# Allegro board MinnowMax_RevA1.brd (continued)
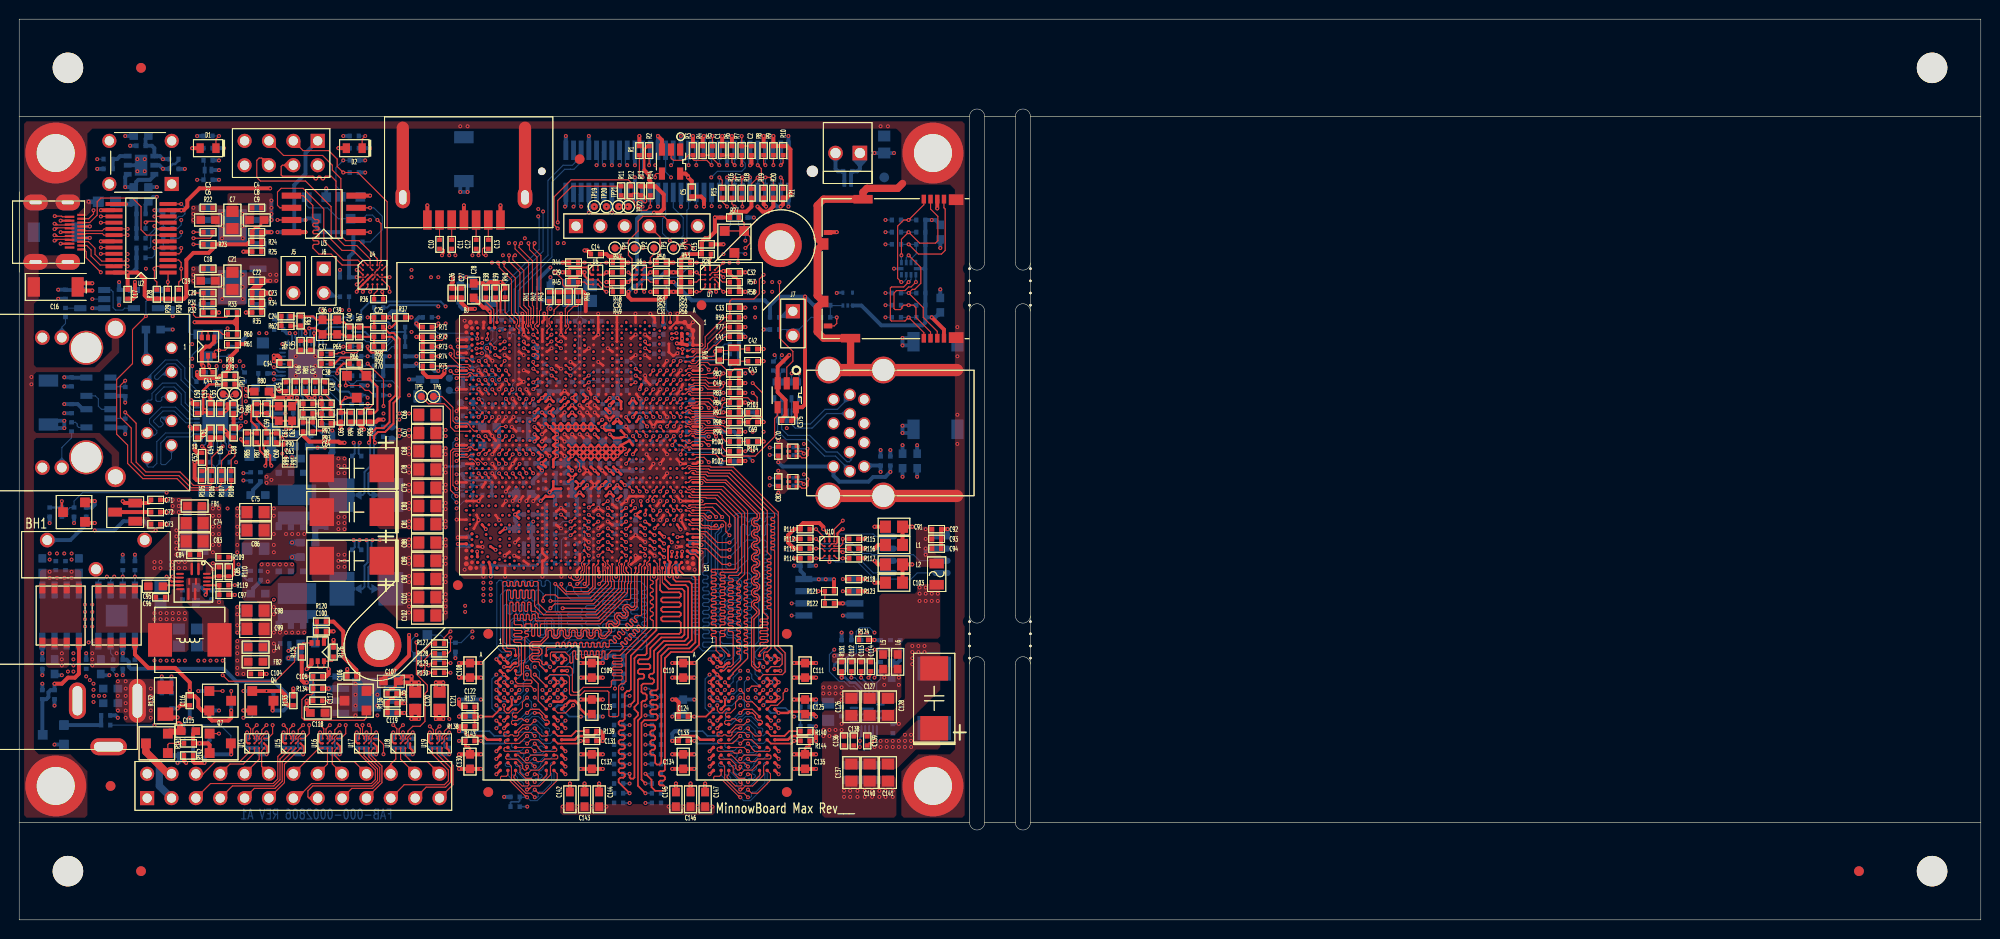
[diagram p0: board, top side]
## Routing (per net, layer and track width the routed paths; a pad name or vN(x,y) marks a point on that pad's centre or on a via; arc(x,y) is an arc through that point) (continued)
M_DQS_A_N2: length 33.2
  TOP w0.119: CPU1.F40 v1(68.24,42.71)
  INT8(V) w0.114: v1(76.77,23.19) 76.33,23.63 76.33,24.13 76.06,24.4 74.96,24.4 74.43,24.92 74.43,28.44 73.41,29.47 73.41,29.86 73.68,30.13 74.3,30.13 74.43,30.27 74.43,30.46 74.3,30.59 73.68,30.59 73.41,30.87 73.41,31.26 73.68,31.53 74.3,31.53 74.43,31.67 74.43,31.85 74.3,31.99 73.68,31.99 73.41,32.26 73.41,32.65 73.68,32.93 74.3,32.93 74.43,33.06 74.43,33.25 74.3,33.39 73.68,33.39 73.41,33.66 73.41,34.05 73.68,34.33 74.3,34.33 74.43,34.46 74.43,34.65 74.3,34.78 73.68,34.78 73.41,35.06 73.41,35.45 73.68,35.72 74.3,35.72 74.43,35.86 74.43,36.18 74.3,36.32 73.7,36.32 73.42,36.6 73.42,38.38 69.45,42.35 68.6,42.35 v1(68.24,42.71)
  BOTTOM w0.119: MEM3.G3 v1(76.77,23.19)
M_DQS_A_N3: length 31.7
  TOP w0.119: CPU1.C43 69.79,41.76 70.14,41.4 70.99,41.4 71.25,41.15 71.94,41.15 72.08,41.01 72.51,41.01 v1(72.64,41.15)
  BOTTOM w0.119: MEM3.B7 73.82,26.65 73.82,26.49 73.89,26.43 74.18,26.43 75.06,27.3 75.06,28.96 74.57,29.44 73.82,29.44 73.53,29.73 73.53,30.14 73.82,30.43 74.92,30.43 75.06,30.57 75.06,30.76 74.92,30.9 73.82,30.9 73.53,31.19 73.53,31.6 73.82,31.89 74.92,31.89 75.06,32.03 75.06,32.23 74.92,32.37 73.82,32.37 73.53,32.65 73.53,33.06 73.82,33.35 74.92,33.35 75.06,33.49 75.06,33.69 74.92,33.83 73.82,33.83 73.53,34.12 73.53,34.53 73.82,34.81 74.92,34.81 75.06,34.95 75.06,35.2 74.82,35.43 73.17,35.43 72.55,36.06 72.55,40.29 72.94,40.68 72.94,40.94 72.89,40.99 72.89,41.03 72.77,41.15 v1(72.64,41.15)
M_DQS_A_N4: length 31.9
  TOP w0.119: MEM1.B7 54.77,26.62 54.61,26.62 54.48,26.75 54.48,26.94 54.23,27.19 53.57,27.19 53.47,27.29 53.47,27.44 53.57,27.55 54.23,27.55 54.48,27.8 54.48,28.16 54.23,28.41 53.57,28.41 53.47,28.52 53.47,28.67 53.57,28.77 54.43,28.77 55.13,29.48 55.13,30.11 55.24,30.22 55.39,30.22 55.49,30.11 55.49,29.62 55.75,29.37 56.1,29.37 56.36,29.62 56.36,30.11 56.46,30.22 56.61,30.22 56.72,30.11 56.72,29.62 56.97,29.37 57.33,29.37 57.58,29.62 57.58,30.11 57.69,30.22 57.84,30.22 57.94,30.11 57.94,29.62 58.19,29.37 58.55,29.37 58.81,29.62 58.81,30.11 58.91,30.22 59.06,30.22 59.16,30.11 59.16,29.62 59.42,29.37 59.78,29.37 60.03,29.62 60.03,30.11 60.14,30.22 60.28,30.22 60.39,30.11 60.39,29.62 60.64,29.37 61.1,29.37 61.74,30.01 61.74,30.37 61.44,30.66 61.44,30.81 61.55,30.91 61.7,30.91 61.99,30.62 62.35,30.62 62.6,30.87 62.6,31.23 62.31,31.52 62.31,31.67 62.41,31.78 62.56,31.78 62.85,31.48 63.21,31.48 63.47,31.74 63.47,32.1 63.17,32.39 63.17,32.54 63.28,32.64 63.43,32.64 63.72,32.35 64.08,32.35 64.4,32.67 64.4,36.08 64.59,36.27 64.59,36.95 CPU1.M52
M_DQS_A_N5: length 31.8
  TOP w0.119: CPU1.T44 v1(63.26,41.56) ; v1(52.14,23.19) MEM1.G3
  INT3(V) w0.114: v1(63.26,41.56) 61.94,40.24 61.94,37.22 61.07,36.35 61.07,31.78 60.7,31.4 60.31,31.4 59.9,31.81 59.71,31.81 59.58,31.68 59.58,31.49 59.99,31.08 59.99,30.69 59.71,30.41 59.32,30.41 58.91,30.82 58.72,30.82 58.59,30.69 58.59,30.5 59,30.09 59,29.7 58.69,29.39 58.32,29.39 57.89,29.83 57.73,29.83 57.57,29.67 57.57,29.51 59.04,28.04 59.04,27.57 58.78,27.32 58.18,27.32 57.9,27.04 57.9,26.59 57.64,26.34 56.4,26.34 55.2,25.14 55.2,25.14 54.7,24.64 52.71,24.64 52.5,24.43 52.5,23.55 v1(52.14,23.19)
M_DQS_A_N6: length 31.7
  TOP w0.119: v1(60.36,38.74) CPU1.Y48
  INT8(V) w0.114: v1(60.36,38.74) 60.58,38.74 60.97,38.35 60.97,36.88 60.68,36.59 60.17,36.59 60.06,36.48 60.06,33.81 57.37,31.12 55.75,31.12 55.61,30.99 55.61,30.8 55.75,30.66 57.37,30.66 57.65,30.39 57.65,30 57.37,29.72 55.75,29.72 55.61,29.59 55.61,29.4 55.75,29.27 57.37,29.27 57.65,28.99 57.65,28.6 57.37,28.33 55.75,28.33 55.61,28.19 55.61,28 55.75,27.87 57.37,27.87 57.65,27.59 57.65,26.82 57.36,26.54 56.48,26.54 56.25,26.32 56.25,25.55 55.98,25.29 55.26,25.29 54.98,25.01 54.98,23.86 54.54,23.43 v1(54.54,23.19)
  BOTTOM w0.119: MEM4.G3 v1(54.54,23.19)
M_DQS_A_N7: length 31.7
  TOP w0.119: v1(55.88,35.05) 56.93,34 59.38,34 60.03,34.65 60.03,36.83 60.36,37.16 CPU1.AA51
  BOTTOM w0.119: MEM4.B7 51.96,26.79 52.22,27.05 52.71,27.05 53.21,27.55 53.21,28.7 52.7,29.21 51.38,29.21 51.12,29.48 51.12,31.1 51.48,31.46 52.55,31.46 52.82,31.19 52.82,30.49 52.96,30.35 53.16,30.35 53.3,30.49 53.3,31.19 53.56,31.46 53.99,31.46 54.28,31.17 54.28,29.86 54.42,29.72 54.62,29.72 54.76,29.86 54.76,31.24 55.01,31.5 55.44,31.5 55.75,31.19 55.75,29.86 55.89,29.72 56.08,29.72 56.25,29.88 56.25,31.76 55.88,32.13 v1(55.88,35.05)
M_DQS_A_P0: length 37.3
  TOP w0.119: v1(66.11,43.7) 66.08,43.7 66,43.77 65.97,43.94 66.2,44.25 66.4,44.25 CPU1.J38 ; v1(74.36,23.99) MEM2.F3
  INT3(V) w0.114: v1(74.36,23.99) 74.37,23.99 74.47,24.09 74.47,24.28 74.4,24.36 74.1,24.36 74.04,24.42 74.04,24.59 74.12,24.66 74.4,24.66 74.47,24.74 74.47,24.89 74.39,24.97 74.11,24.97 74.03,25.05 74.03,25.22 74.11,25.3 74.41,25.3 74.49,25.37 74.49,26.19 75.2,26.91 75.67,26.91 76.33,27.56 76.33,33.48 76.19,33.61 75.71,33.61 75.44,33.89 75.44,34.27 75.71,34.55 76.19,34.55 76.33,34.68 76.33,34.87 76.19,35.01 75.71,35.01 75.44,35.28 75.44,35.67 75.71,35.95 76.19,35.95 76.33,36.08 76.33,36.27 76.19,36.4 75.71,36.4 75.44,36.68 75.44,37.07 75.71,37.34 76.19,37.34 76.33,37.48 76.33,37.67 76.19,37.8 75.71,37.8 75.44,38.08 75.44,38.47 75.71,38.74 76.19,38.74 76.33,38.87 76.33,39.65 73.05,42.93 70.23,42.93 69.09,44.07 66.22,44.07 66.06,43.91 66.06,43.74 v1(66.11,43.7)
M_DQS_A_P1: length 32.1
  TOP w0.119: MEM2.C7 76.88,25.99 76.34,26.53 76.34,31.48 76.88,32.03 76.88,32.2 76.34,32.74 76.34,33.1 76.59,33.36 76.82,33.36 76.93,33.46 76.93,33.61 76.82,33.71 76.59,33.71 76.34,33.97 76.34,34.33 76.59,34.58 76.82,34.58 76.93,34.69 76.93,34.83 76.82,34.94 76.59,34.94 76.34,35.19 76.34,35.55 76.59,35.8 76.82,35.8 76.93,35.91 76.93,36.06 76.82,36.16 76.59,36.16 76.34,36.42 76.34,36.78 76.59,37.03 76.82,37.03 76.93,37.13 76.93,37.28 76.82,37.39 76.59,37.39 76.34,37.64 76.34,38 76.59,38.25 76.82,38.25 76.93,38.36 76.93,38.51 76.82,38.61 76.59,38.61 76.34,38.87 76.34,39.22 76.59,39.48 76.82,39.48 76.93,39.58 76.93,39.73 76.82,39.84 76.59,39.84 76.34,40.09 76.34,40.45 76.59,40.7 76.82,40.7 76.93,40.81 76.93,40.96 76.82,41.06 76.59,41.06 76.34,41.31 76.34,41.67 76.59,41.93 76.82,41.93 76.93,42.03 76.93,42.28 73.57,45.63 71.59,45.63 71.27,45.95 70.09,45.95 69.79,45.64 CPU1.C35
M_DQS_A_P2: length 33.2
  TOP w0.119: v1(68.95,42.71) 68.86,42.8 68.68,42.8 68.56,42.92 CPU1.D40
  INT8(V) w0.114: v1(76.77,23.99) 77.03,23.99 77.15,24.1 77.15,24.4 77.03,24.51 76.31,24.51 76.18,24.64 75.06,24.64 74.68,25.02 74.68,28.54 73.65,29.57 73.65,29.76 73.78,29.89 74.4,29.89 74.68,30.17 74.68,30.56 74.4,30.83 73.78,30.83 73.65,30.97 73.65,31.16 73.78,31.29 74.4,31.29 74.68,31.57 74.68,31.95 74.4,32.23 73.78,32.23 73.65,32.36 73.65,32.55 73.78,32.69 74.4,32.69 74.68,32.96 74.68,33.35 74.4,33.63 73.78,33.63 73.65,33.76 73.65,33.95 73.78,34.08 74.4,34.08 74.68,34.36 74.68,34.75 74.4,35.02 73.78,35.02 73.65,35.16 73.65,35.35 73.78,35.48 74.4,35.48 74.68,35.76 74.68,36.32 74.42,36.58 73.79,36.58 73.66,36.7 73.66,38.48 69.43,42.71 v1(68.95,42.71)
  BOTTOM w0.119: MEM3.F3 76.88,23.59 76.77,23.71 v1(76.77,23.99)
M_DQS_A_P3: length 31.8
  TOP w0.119: v1(73.28,41.15) 72.89,40.76 71.97,40.76 71.83,40.89 71.12,40.89 70.87,41.15 69.97,41.15 CPU1.B44
  BOTTOM w0.119: v1(73.28,41.15) 73.19,41.06 73.19,40.56 72.81,40.17 72.81,36.16 73.28,35.69 74.93,35.69 75.31,35.31 75.31,34.85 75.02,34.56 73.93,34.56 73.79,34.42 73.79,34.22 73.93,34.08 75.02,34.08 75.31,33.79 75.31,33.39 75.02,33.1 73.93,33.1 73.79,32.96 73.79,32.76 73.93,32.62 75.02,32.62 75.31,32.33 75.31,31.92 75.02,31.63 73.93,31.63 73.79,31.49 73.79,31.3 73.93,31.16 75.02,31.16 75.31,30.87 75.31,30.46 75.02,30.17 73.93,30.17 73.79,30.03 73.79,29.83 73.93,29.69 74.68,29.69 75.31,29.06 75.31,27.2 74.1,25.99 MEM3.C7
M_DQS_A_P4: length 31.9
  TOP w0.119: MEM1.C7 54.84,25.99 54.23,26.6 54.23,26.83 54.12,26.93 53.47,26.93 53.21,27.19 53.21,27.55 53.47,27.8 54.12,27.8 54.23,27.91 54.23,28.05 54.12,28.16 53.47,28.16 53.21,28.41 53.21,28.77 53.47,29.03 54.32,29.03 54.88,29.58 54.88,30.22 55.13,30.47 55.49,30.47 55.75,30.22 55.75,29.73 55.85,29.63 56,29.63 56.1,29.73 56.1,30.22 56.36,30.47 56.72,30.47 56.97,30.22 56.97,29.73 57.08,29.63 57.22,29.63 57.33,29.73 57.33,30.22 57.58,30.47 57.94,30.47 58.19,30.22 58.19,29.73 58.3,29.63 58.45,29.63 58.55,29.73 58.55,30.22 58.81,30.47 59.17,30.47 59.42,30.22 59.42,29.73 59.52,29.63 59.67,29.63 59.78,29.73 59.78,30.22 60.03,30.47 60.39,30.47 60.64,30.22 60.64,29.73 60.75,29.63 60.99,29.63 61.48,30.11 61.48,30.26 61.19,30.55 61.19,30.91 61.44,31.16 61.8,31.16 62.09,30.87 62.24,30.87 62.35,30.98 62.35,31.13 62.06,31.42 62.06,31.78 62.31,32.03 62.67,32.03 62.96,31.74 63.11,31.74 63.21,31.84 63.21,31.99 62.92,32.28 62.92,32.64 63.17,32.9 63.53,32.9 63.83,32.6 63.97,32.6 64.15,32.78 64.15,36.21 64.25,36.31 CPU1.N53
M_DQS_A_P5: length 31.7
  TOP w0.119: v1(52.14,23.99) MEM1.F3 ; CPU1.T42 v1(63.26,42.27)
  INT3(V) w0.114: v1(52.14,23.99) 52.15,23.99 52.26,24.1 52.26,24.53 52.61,24.89 54.6,24.89 55.1,25.38 55.1,25.38 56.3,26.58 57.54,26.58 57.66,26.69 57.66,27.14 58.08,27.56 58.68,27.56 58.8,27.67 58.8,27.94 57.33,29.41 57.33,29.77 57.63,30.07 57.99,30.07 58.42,29.63 58.59,29.63 58.76,29.8 58.76,29.99 58.35,30.4 58.35,30.79 58.62,31.06 59.01,31.06 59.42,30.65 59.61,30.65 59.74,30.79 59.74,30.98 59.34,31.39 59.34,31.78 59.61,32.05 60,32.05 60.41,31.64 60.6,31.64 60.83,31.88 60.83,36.45 61.7,37.32 61.7,40.34 62.9,41.54 62.9,42 63.16,42.27 v1(63.26,42.27)
M_DQS_A_P6: length 31.9
  TOP w0.119: v1(60.36,39.42) CPU1.Y47
  INT8(V) w0.114: v1(54.54,23.99) 54.74,24.19 54.74,25.11 55.16,25.53 55.36,25.53 55.88,25.53 56.01,25.65 56.01,26.42 56.38,26.78 57.26,26.78 57.4,26.92 57.4,27.49 57.27,27.63 55.65,27.63 55.37,27.9 55.37,28.29 55.65,28.57 57.27,28.57 57.4,28.7 57.4,28.89 57.27,29.03 55.65,29.03 55.37,29.3 55.37,29.69 55.65,29.97 57.27,29.97 57.4,30.1 57.4,30.29 57.27,30.42 55.65,30.42 55.37,30.7 55.37,31.09 55.65,31.36 57.27,31.36 59.82,33.91 59.82,36.58 60.07,36.83 60.58,36.83 60.73,36.98 60.73,38.25 60.61,38.36 60.2,38.36 60,38.56 60,39.06 v1(60.36,39.42)
  BOTTOM w0.119: MEM4.F3 v1(54.54,23.99)
M_DQS_A_P7: length 31.7
  TOP w0.119: v1(56.52,35.05) 56.52,34.78 57.04,34.26 59.27,34.26 59.78,34.76 59.78,36.94 59.88,37.04 CPU1.AB52
  BOTTOM w0.119: v1(56.52,35.05) 56.43,35.05 56.13,34.75 56.13,32.24 56.5,31.87 56.5,29.78 56.19,29.46 55.78,29.46 55.49,29.75 55.49,31.09 55.34,31.24 55.12,31.24 55.01,31.14 55.01,29.75 54.73,29.46 54.32,29.46 54.03,29.75 54.03,31.06 53.88,31.21 53.67,31.21 53.55,31.09 53.55,30.39 53.26,30.1 52.85,30.1 52.57,30.39 52.57,31.09 52.45,31.21 51.58,31.21 51.37,31 51.37,29.58 51.49,29.46 52.81,29.46 53.47,28.81 53.47,27.45 52.82,26.8 52.32,26.8 52.2,26.67 52.2,25.95 52.08,25.83 51.9,25.83 MEM4.C7
M_MA_A0: length 66.8
  TOP w0.102: MEM1.N3 53.34,17.99 v1(53.74,17.59) ; MEM2.N3 75.56,17.99 v1(75.97,17.59)
  TOP w0.173: CPU1.K45 v1(66.23,40.13)
  INT3(V) w0.102: v1(66.23,40.13) 65.58,39.49 65.58,37.77
  INT3(V) w0.157: v1(65.28,18.29) 64.77,18.8 64.77,26.37 65.3,26.89 66.02,26.89 66.17,27.04 66.17,27.24 66.02,27.39 65.55,27.39 65.41,27.53 65.41,27.74 65.55,27.88 66.02,27.88 66.17,28.03 66.17,28.23 66.02,28.38 65.55,28.38 65.41,28.52 65.41,28.73 65.55,28.87 66.02,28.87 66.17,29.02 66.17,29.22 66.02,29.37 65.55,29.37 65.41,29.51 65.41,29.72 65.55,29.86 66.02,29.86 66.17,30.01 66.17,30.22 66.02,30.36 65.55,30.36 65.41,30.51 65.41,30.71 65.55,30.86 66.02,30.86 66.17,31 66.17,31.21 66.02,31.35 65.55,31.35 65.41,31.5 65.41,31.7 65.55,31.85 66.02,31.85 66.17,31.99 66.17,32.2 66.02,32.34 65.55,32.34 65.41,32.49 65.41,32.69 65.55,32.84 66.02,32.84 66.17,32.98 66.17,33.19 66.02,33.33 65.55,33.33 65.41,33.48 65.41,33.68 65.55,33.83 66.02,33.83 66.17,33.97 66.17,34.25 65.41,35.01 65.41,37.59 65.58,37.77
  INT7(H) w0.157: v1(53.74,17.59) 54.14,17.19 57.66,17.19 57.96,16.88 61.59,16.88 62.48,17.78 64.77,17.78 v1(65.28,18.29) 65.91,17.66 66.3,17.66 66.8,18.16 67.18,18.16 67.68,17.66 70.9,17.66 71.37,17.19 72.26,17.19 73.11,18.03 74.04,18.03 74.89,17.19 75.56,17.19 v1(75.97,17.59)
  BOTTOM w0.102: v1(75.97,17.59) 76.12,17.44 76.53,17.44 76.63,17.54 76.63,17.68 76.43,17.88 76.43,18.03 76.53,18.13 76.74,18.13 76.88,17.99 MEM3.N3 ; MEM4.N3 54.65,17.99 54.52,18.13 54.31,18.13 54.2,18.03 54.2,17.88 54.4,17.68 54.4,17.54 54.3,17.44 53.89,17.44 v1(53.74,17.59)
  BOTTOM w0.173: R329.1 v1(65.28,18.29)
M_MA_A1: length 67.4
  TOP w0.102: v1(75.16,16.79) 75.57,17.19 MEM2.P7 ; v1(52.94,16.79) 53.34,17.19 MEM1.P7
  TOP w0.173: CPU1.H47 v1(67.22,39.26)
  INT3(V) w0.102: 67.58,37.58 67.58,37.98 67.37,38.19 67.08,38.19 66.87,38.4 66.87,38.9 v1(67.22,39.26)
  INT3(V) w0.157: v1(63.63,16.26) 63.24,15.87 63.24,15.08 63.47,14.85 64,14.85 64.78,15.63 65.53,15.63 65.79,15.37 66.42,15.37 66.8,15.75 66.8,16.55 68.07,17.82 68.07,18.12 67.68,18.51 67.68,18.92 68.33,19.56 68.33,20.41 67.68,21.05 67.68,21.37 68.07,21.76 68.07,22.44 67.68,22.83 67.68,23.23 68.33,23.88 68.33,24.47 67.68,25.11 67.68,25.43 68.07,25.82 68.07,26.25 67.68,26.64 67.68,27.04 68.33,27.69 68.33,34.67 67.38,35.62 67.38,36.01 67.82,36.45 67.82,37.34 67.58,37.58
  INT4(H) w0.157: v1(75.16,16.79) 72.67,16.79 72.27,16.39 67.32,16.39 66.67,15.75 64.77,15.75 64.26,16.26 v1(63.63,16.26) 62.99,16.26 62.61,16.64 61.98,16.64 61.59,16.26 60.33,16.26 59.94,16.64 59.44,16.64 59.05,16.26 57.4,16.26 57.27,16.39 56.76,16.39 56.39,16.76 55.87,16.76 55.5,16.39 55.12,16.39 54.74,16.76 54.24,16.76 53.87,16.39 53.34,16.39 v1(52.94,16.79)
  BOTTOM w0.102: v1(75.16,16.79) 75.01,16.64 74.8,16.64 74.68,16.76 74.68,16.92 74.83,17.07 74.83,17.27 74.7,17.4 74.17,17.4 MEM3.P7 ; MEM4.P7 51.95,17.4 52.48,17.4 52.6,17.27 52.6,17.07 52.46,16.92 52.46,16.76 52.58,16.64 52.79,16.64 v1(52.94,16.79)
  BOTTOM w0.173: R346.1 v1(63.63,16.26)
M_MA_A2: length 67.9
  TOP w0.102: v1(53.74,15.99) 53.35,16.38 52.83,16.38 52.03,17.19 MEM1.P3 ; v1(75.97,15.99) 75.57,16.38 75.06,16.38 74.25,17.19 MEM2.P3
  TOP w0.173: CPU1.L41 v1(65.24,42.27)
  INT3(V) w0.102: 64.59,37.47 64.59,41.62 v1(65.24,42.27)
  INT3(V) w0.157: v1(65.28,16.26) 64.26,16.26 63.75,16.76 62.63,16.76 62.23,17.16 62.23,22.86 63.75,24.38 63.75,27.53 64.59,28.37 64.59,28.57 64.45,28.72 63.9,28.72 63.75,28.86 63.75,29.07 63.9,29.21 64.45,29.21 64.59,29.36 64.59,29.56 64.45,29.71 63.9,29.71 63.75,29.85 63.75,30.06 64.59,30.9 64.59,37.47
  INT7(H) w0.157: v1(75.97,15.99) 75.56,15.59 74.96,15.59 73.91,16.64 73.18,16.64 72.13,15.59 71.8,15.59 71.41,15.59 70.74,16.26 69.98,16.26 69.6,15.88 68.58,15.88 68.2,16.26 v1(65.28,16.26) 64.89,15.87 62.48,15.87 61.85,15.24 58.01,15.24 57.66,15.59 54.14,15.59 v1(53.74,15.99)
  BOTTOM w0.102: v1(53.74,15.99) 53.49,15.99 53.39,16.09 53.39,16.26 53.52,16.38 54.1,16.38 54.91,17.19 MEM4.P3 ; v1(75.97,15.99) 75.72,15.99 75.62,16.09 75.62,16.26 75.74,16.38 76.33,16.38 77.13,17.19 MEM3.P3
  BOTTOM w0.173: R342.1 v1(65.28,16.26)
M_MA_A3: length 70.6
  TOP w0.102: v1(52.94,17.59) 52.75,17.4 52.32,17.4 52.13,17.59 50.63,17.59 50.53,17.69 50.53,17.89 50.63,17.99 MEM1.N2 ; v1(75.16,17.59) 74.97,17.4 74.55,17.4 74.36,17.59 72.86,17.59 72.76,17.69 72.76,17.89 72.86,17.99 MEM2.N2
  TOP w0.173: CPU1.H44 v1(66.23,40.84)
  INT3(V) w0.102: v1(66.23,40.84) 65.89,40.5 65.12,40.5 64.9,40.28 64.9,40.26 64.9,37.72
  INT3(V) w0.157: 64.9,37.72 65.02,37.59 65.02,27.94 64.26,27.18 64.26,23.11 64.01,22.86 62.9,22.86 62.74,22.69 62.74,22.01 62.9,21.84 64.1,21.84 64.26,21.68 64.26,20.99 64.1,20.83 62.9,20.83 62.74,20.66 62.74,19.98 62.9,19.81 64.1,19.81 64.26,19.65 64.26,18.96 64.1,18.8 62.9,18.8 62.74,18.63 62.74,17.53 62.99,17.27 v1(63.63,17.27)
  INT4(H) w0.157: v1(75.16,17.59) 72.71,17.59 72.31,17.19 71.63,17.19 71.32,16.88 64.65,16.88 64.26,17.27 v1(63.63,17.27) 61.59,17.27 61.09,16.76 60.58,16.76 60.2,17.14 59.18,17.14 58.8,16.76 57.91,16.76 57.49,17.19 56.72,17.19 56.39,17.53 55.88,17.53 55.55,17.2 55.19,17.2 54.86,17.53 54.35,17.53 54.01,17.19 53.34,17.19 v1(52.94,17.59)
  BOTTOM w0.102: MEM4.N2 55.4,17.65 54.86,17.65 54.45,17.23 53.3,17.23 v1(52.94,17.59) ; MEM3.N2 77.63,17.65 77.09,17.65 76.67,17.23 75.52,17.23 v1(75.16,17.59)
  BOTTOM w0.173: R345.1 v1(63.63,17.27)
M_MA_A4: length 70.7
  TOP w0.102: MEM2.P8 78.26,17.19 78.36,17.09 78.36,16.89 78.26,16.79 76.99,16.79 76.71,16.51 76.24,16.51 v1(75.97,16.79) ; MEM1.P8 56.03,17.19 56.13,17.09 56.13,16.89 56.03,16.79 54.76,16.79 54.48,16.51 54.02,16.51 v1(53.74,16.79)
  TOP w0.173: CPU1.H50 v1(67.22,37.83)
  INT3(V) w0.157: v1(65.28,17.27) 65.15,17.4 64.3,17.4 64.14,17.23 64.14,16.93 64.3,16.76 65.53,16.76 65.79,16.51 65.79,15.91 65.95,15.75 66.27,15.75 66.42,15.9 66.42,16.64 66.09,16.96 66.09,17.23 66.26,17.4 67.13,17.4 67.56,17.83 67.56,18.11 67.32,18.36 67.32,19.4 67.48,19.56 67.81,19.56 67.96,19.71 67.96,20.18 67.82,20.32 67.48,20.32 67.32,20.49 67.32,21.58 67.69,21.95 67.69,22.24 67.32,22.62 67.32,23.72 67.48,23.88 67.81,23.88 67.96,24.03 67.96,24.32 67.77,24.51 67.48,24.51 67.32,24.68 67.32,25.59 67.65,25.92 67.65,26.15 67.32,26.48 67.32,27.2 67.96,27.84 67.96,34.4 66.93,35.43 66.93,36.07 67.44,36.58 67.44,36.96 67.31,37.08 67.06,37.08 66.93,37.21 66.93,37.54 v1(67.22,37.83)
  INT7(H) w0.157: v1(53.74,16.79) 54.14,16.39 57.66,16.39 57.79,16.26 61.98,16.26 62.48,16.76 64.77,16.76 v1(65.28,17.27) 65.79,16.76 68.58,16.76 68.83,16.51 69.34,16.51 69.6,16.76 71,16.76 71.37,16.39 72.14,16.39 73.03,17.27 74.04,17.27 74.92,16.39 75.56,16.39 v1(75.97,16.79)
  BOTTOM w0.102: v1(75.97,16.79) 75.72,16.79 75.31,16.38 74.68,16.38 74.3,16.76 73.59,16.76 MEM3.P8 ; v1(53.74,16.79) 53.49,16.79 53.09,16.38 52.45,16.38 52.07,16.76 51.37,16.76 MEM4.P8
  BOTTOM w0.173: R341.1 v1(65.28,17.27)
M_MA_A5: length 72.1
  TOP w0.102: 67.17,35.08 67.04,35.2 CPU1.G53 ; v1(75.16,15.99) 75.16,15.73 75.06,15.63 74.89,15.63 74.71,15.82 74.71,16.16 74.11,16.76 73.04,16.76 72.94,16.87 72.94,17.03 73.1,17.19 MEM2.P2 ; v1(52.94,15.99) 52.94,15.73 52.84,15.63 52.67,15.63 52.48,15.82 52.48,16.16 51.88,16.76 50.82,16.76 50.72,16.87 50.72,17.03 50.87,17.19 MEM1.P2
  TOP w0.173: v1(63.63,15.24) 63.63,14.86 63.75,14.73 64.01,14.73 64.13,14.85 64.13,20.96 64.5,21.33 64.5,21.61 64.13,21.97 64.13,22.22 64.5,22.59 64.5,25.04 64.62,25.17 65.02,25.17 65.15,25.29 65.15,25.53 65.02,25.65 64.64,25.65 64.52,25.78 64.5,25.78 64.5,26 64.66,26.16 65.66,26.16 65.79,26.29 65.79,26.54 65.64,26.69 64.64,26.69 64.5,26.83 64.5,27.03 64.64,27.18 65.53,27.18 65.79,27.43 65.79,28.32 66.93,29.46 69.05,29.46 69.34,29.76 69.34,34.29 69.09,34.54 67.7,34.54 67.17,35.08
  INT4(H) w0.157: v1(75.16,15.99) 73.39,15.99 72.14,14.73 64.77,14.73 64.26,15.24 v1(63.63,15.24) 63.12,15.24 62.61,15.75 61.85,15.75 61.34,15.24 60.45,15.24 59.94,15.75 59.44,15.75 58.93,15.24 57.66,15.24 57.31,15.59 56.64,15.59 56.36,15.88 55.78,15.88 55.5,15.59 55.15,15.59 54.86,15.88 54.26,15.88 53.98,15.59 53.34,15.59 v1(52.94,15.99)
  BOTTOM w0.102: v1(75.16,15.99) 75.53,15.62 76.1,15.62 76.58,16.1 76.58,16.27 77.07,16.76 77.54,16.76 MEM3.P2 ; MEM4.P2 55.31,16.76 54.85,16.76 54.36,16.27 54.36,16.1 53.87,15.62 53.31,15.62 v1(52.94,15.99)
  BOTTOM w0.173: R347.1 v1(63.63,15.24)
M_MA_A6: length 75.2
  TOP w0.102: v1(52.94,13.59) 53.09,13.59 53.47,13.97 54.23,13.97 55.37,15.11 55.37,16.02 MEM1.R8 ; MEM2.R8 77.6,16.02 77.6,15.11 76.45,13.97 75.69,13.97 75.31,13.59 v1(75.16,13.59)
  TOP w0.173: CPU1.H49 v1(67.22,38.54)
  INT3(V) w0.102: v1(67.22,38.54) 67.54,38.86 68.09,38.86 68.58,38.37
  INT3(V) w0.157: v1(65.28,12.19) 69.47,16.38 69.47,37.48 68.58,38.37
  INT4(H) w0.157: v1(75.16,13.59) 74.15,12.57 73.79,12.57 73.66,12.7 73.66,12.95 73.53,13.08 73.28,13.08 73.15,12.95 73.15,12.45 72.9,12.2 72.52,12.2 72.02,12.7 71.63,12.7 71.13,12.2 70.86,12.2 70.36,12.7 69.98,12.7 69.48,12.2 69.08,12.2 68.58,12.7 68.2,12.7 67.7,12.2 67.3,12.2 66.8,12.7 66.42,12.7 65.92,12.2 65.28,12.2 v1(65.28,12.19) 64.52,12.19 64.01,12.7 54.61,12.7 54.12,13.19 53.34,13.19 v1(52.94,13.59)
  BOTTOM w0.102: MEM4.R8 50.77,16.39 50.67,16.29 50.67,16.13 50.8,16 51.18,16 51.31,15.88 51.31,15.22 51.43,15.1 51.7,15.1 51.93,14.87 51.93,14.6 52.05,14.48 52.32,14.48 52.58,14.22 52.58,13.95 v1(52.94,13.59) ; MEM3.R8 73,16.39 72.9,16.29 72.9,16.13 73.03,16 73.41,16 73.53,15.88 73.53,15.22 73.65,15.1 73.92,15.1 74.16,14.87 74.16,14.6 74.28,14.48 74.55,14.48 74.8,14.22 74.8,13.95 v1(75.16,13.59)
  BOTTOM w0.173: R350.1 v1(65.28,12.19)
M_MA_A7: length 76.4
  TOP w0.102: MEM2.R2 73.53,16.02 73.53,14.72 75.04,13.21 75.55,13.21 v1(75.97,12.79) ; v1(53.74,12.79) 53.32,13.21 52.82,13.21 51.31,14.72 51.31,16.02 MEM1.R2
  TOP w0.173: CPU1.D50 v1(68.52,37.85)
  INT3(V) w0.157: v1(68.52,37.85) 69.09,37.28 69.09,16.76 68.58,16.26 68.01,16.26 67.56,15.81 67.56,15.11 66.17,13.72 65.15,13.72 v1(63.63,12.19)
  INT7(H) w0.157: v1(75.97,12.79) 75.49,12.32 66.04,12.32 65.66,12.7 64.77,12.7 64.26,12.19 v1(63.63,12.19) 63.62,12.2 62.99,12.2 62.48,12.7 62.09,12.7 61.9,12.51 61.9,12.39 61.7,12.19 61.43,12.19 61.24,12.39 61.24,12.51 61.04,12.7 60.77,12.7 60.58,12.51 60.58,12.39 60.38,12.19 60.11,12.19 59.92,12.39 59.92,12.51 59.72,12.7 59.45,12.7 59.26,12.51 59.26,12.39 59.06,12.19 58.79,12.19 58.6,12.39 58.6,12.51 58.4,12.7 58.13,12.7 57.94,12.51 57.94,12.39 57.74,12.19 57.47,12.19 57.27,12.39 57.27,12.51 57.08,12.7 55.63,12.7 55.12,12.19 53.98,12.19 53.74,12.43 v1(53.74,12.79)
  BOTTOM w0.102: v1(75.97,12.79) 76.23,12.79 76.33,12.89 76.33,13.23 76.43,13.34 76.78,13.34 77.72,14.27 77.72,15.24 77.6,15.37 77.6,16.29 77.7,16.39 MEM3.R2 ; v1(53.74,12.79) 54,12.79 54.1,12.89 54.1,13.23 54.2,13.34 54.56,13.34 55.5,14.27 55.5,15.24 55.37,15.37 55.37,16.29 55.47,16.39 MEM4.R2
  BOTTOM w0.173: R352.1 v1(63.63,12.19)
M_MA_A8: length 73.6
  TOP w0.102: MEM1.T8 56.08,15.25 56.08,14.55 54.74,13.21 54.12,13.21 v1(53.74,13.59) ; 67.31,36.32 67.37,36.38 67.37,36.85 67.27,36.95 CPU1.G52 ; MEM2.T8 78.31,15.25 78.31,14.55 76.96,13.21 76.35,13.21 v1(75.97,13.59)
  TOP w0.173: v1(65.28,13.21) 64.5,13.99 64.5,20.81 64.87,21.18 64.87,22.7 65.02,22.86 65.24,22.86 65.41,23.03 65.41,23.46 65.24,23.62 65.03,23.62 64.87,23.79 64.87,24.47 65.03,24.64 66,24.64 66.17,24.8 66.17,25.04 66.02,25.18 65.8,25.18 65.66,25.33 65.66,25.53 65.8,25.68 66.02,25.68 66.17,25.82 66.17,28.07 67.18,29.08 69.34,29.08 69.72,29.46 69.72,34.67 69.47,34.92 67.94,34.92 67.31,35.56 67.31,36.32
  INT7(H) w0.157: v1(53.74,13.59) 54.12,13.21 62.87,13.21 63.37,12.7 64.01,12.7 64.52,13.21 v1(65.28,13.21) 65.79,13.72 66.29,13.72 66.82,13.19 67.29,13.19 67.82,13.72 68.33,13.72 68.85,13.19 69.32,13.19 69.85,13.72 70.36,13.72 70.88,13.19 75.57,13.19 v1(75.97,13.59)
  BOTTOM w0.102: v1(75.97,13.59) 75.58,13.21 75.04,13.21 73.16,15.09 MEM3.T8 ; MEM4.T8 50.94,15.09 52.82,13.21 53.36,13.21 v1(53.74,13.59)
  BOTTOM w0.173: R349.1 v1(65.28,13.21)
M_MA_A9: length 70.2
  TOP w0.102: 68.06,36.46 68.06,36.91 CPU1.E52 ; MEM1.R3 52.2,15.93 52.2,15.37 52.79,14.77 53.36,14.77 v1(53.74,14.39) ; v1(75.97,14.39) 75.58,14.77 75.02,14.77 74.42,15.37 74.42,15.93 MEM2.R3
  TOP w0.173: v1(65.28,14.22) 64.87,14.64 64.87,20.54 65.15,20.83 66.38,20.83 66.55,20.99 66.55,21.32 66.4,21.46 65.93,21.46 65.79,21.61 65.79,21.81 65.93,21.96 66.4,21.96 66.55,22.1 66.55,22.31 66.4,22.45 65.93,22.45 65.79,22.6 65.79,22.8 65.93,22.95 66.4,22.95 66.55,23.09 66.55,23.3 66.4,23.44 65.93,23.44 65.79,23.59 65.79,23.79 65.93,23.94 66.4,23.94 66.55,24.08 66.55,27.81 67.44,28.7 69.6,28.7 70.1,29.21 70.1,35.05 69.85,35.31 68.45,35.31 68.19,35.57 68.19,36.08 68.06,36.21 68.06,36.46
  INT7(H) w0.157: v1(53.74,14.39) 54.41,13.72 64.01,13.72 64.52,14.22 v1(65.28,14.22) 65.79,14.73 70.23,14.73 71.25,13.72 72.01,13.72 72.9,14.61 74.06,14.61 74.68,13.99 75.56,13.99 v1(75.97,14.39)
  BOTTOM w0.102: v1(53.74,14.39) 53.74,14.65 53.84,14.75 54.32,14.75 54.5,14.93 54.5,15.07 54.39,15.18 54.29,15.18 54.17,15.3 54.17,15.44 54.29,15.56 54.39,15.56 54.61,15.77 54.61,16.06 MEM4.R3 ; v1(75.97,14.39) 75.97,14.65 76.07,14.75 76.54,14.75 76.72,14.93 76.72,15.07 76.62,15.18 76.52,15.18 76.4,15.3 76.4,15.44 76.52,15.56 76.62,15.56 76.83,15.77 76.83,16.06 MEM3.R3
  BOTTOM w0.173: R344.1 v1(65.28,14.22)
M_MA_A10: length 67.6
  TOP w0.102: v1(53.74,19.99) 53.74,19.92 54.48,19.18 55.01,19.18 55.11,19.28 55.11,19.42 MEM1.L7 ; MEM2.L7 77.33,19.42 77.33,19.28 77.23,19.18 76.71,19.18 75.97,19.92 v1(75.97,19.99)
  TOP w0.173: CPU1.K48 v1(66.23,38.71)
  INT3(V) w0.102: 65.89,37.57 65.89,38.37 v1(66.23,38.71)
  INT3(V) w0.157: v1(65.28,21.34) 65.79,20.83 65.79,18.45 65.95,18.29 66.38,18.29 66.55,18.45 66.55,21.51 66.4,21.65 65.93,21.65 65.79,21.8 65.79,22 65.93,22.15 66.4,22.15 66.55,22.29 66.55,22.5 66.4,22.64 65.93,22.64 65.79,22.79 65.79,22.99 65.93,23.14 66.4,23.14 66.55,23.28 66.55,23.49 66.4,23.63 65.93,23.63 65.79,23.78 65.79,23.99 65.93,24.13 66.4,24.13 66.55,24.28 66.55,24.48 66.4,24.63 65.42,24.63 65.28,24.77 65.28,24.98 65.42,25.12 66.4,25.12 66.55,25.27 66.55,25.5 66.4,25.64 65.42,25.64 65.28,25.79 65.28,25.99 65.42,26.14 66.4,26.14 66.55,26.28 66.55,34.54 65.79,35.31 65.79,37.46 65.89,37.57
  INT7(H) w0.157: v1(75.97,19.99) 75.56,19.59 71.47,19.59 70.74,20.32 70.36,20.32 69.98,19.94 69.6,19.94 69.22,20.32 68.83,20.32 68.45,19.94 68.07,19.94 67.69,20.32 67.44,20.32 67.06,19.94 66.67,19.94 v1(65.28,21.34) 64.77,20.83 62.48,20.83 61.21,19.56 54.17,19.56 v1(53.74,19.99)
  BOTTOM w0.102: MEM3.L7 75.34,19.59 75.74,19.99 v1(75.97,19.99) ; MEM4.L7 53.12,19.59 53.52,19.99 v1(53.74,19.99)
  BOTTOM w0.173: R313.1 v1(65.28,21.34)
